# KiCad board Oblique Palette 0.3 PCB.kicad_pcb (continued)
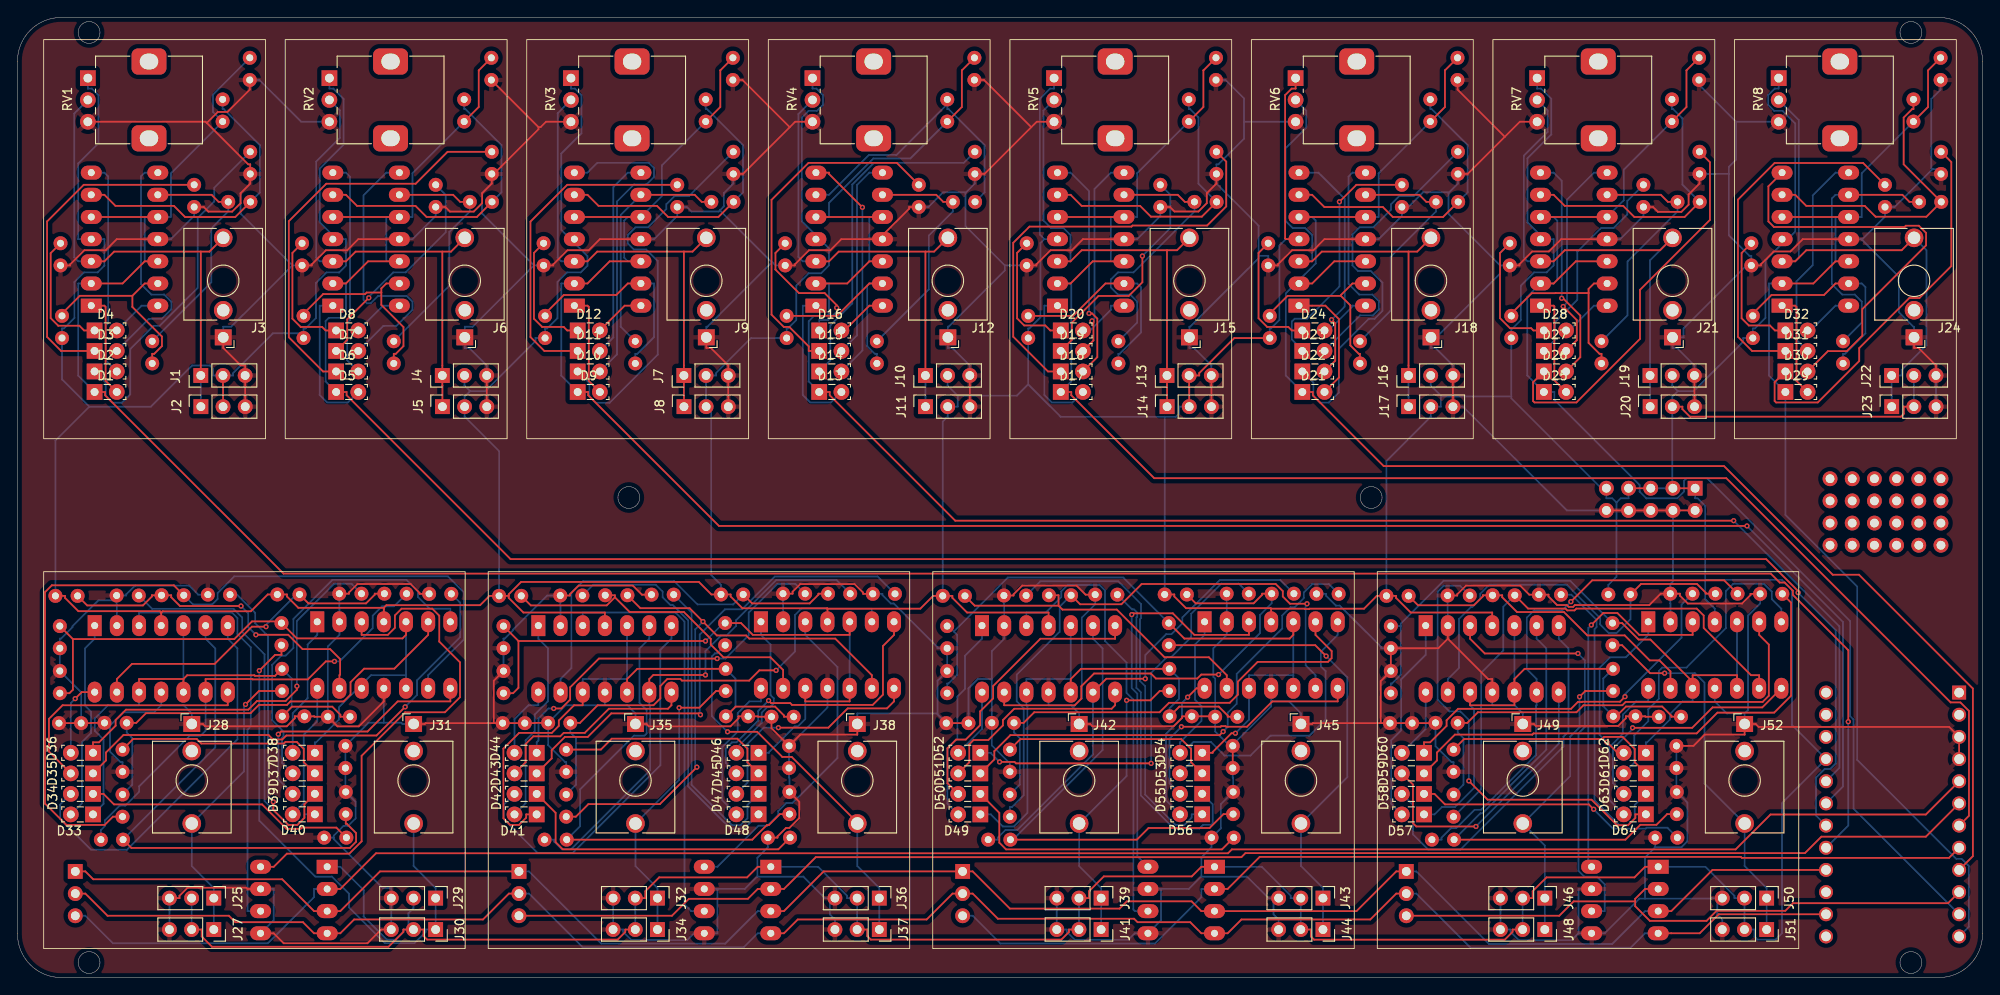
[diagram p0: board, top side]
## Placement (name value [footprint] x y rotation side) (continued)
R151  1k  [R_Axial_DIN0207_L6.3mm_D2.5mm_P2.54mm_Vertical]  166.29 43.77 180 bottom
R152  500  [R_Axial_DIN0207_L6.3mm_D2.5mm_P2.54mm_Vertical]  159.28 43.73 180 bottom
RV1  R_Potentiometer_MountingPin  [Potentiometer_Alps_RK09K_Single_Vertical]  8.06 103.05 0 top
RV2  R_Potentiometer_MountingPin  [Potentiometer_Alps_RK09K_Single_Vertical]  35.72 103.05 0 top
RV3  R_Potentiometer_MountingPin  [Potentiometer_Alps_RK09K_Single_Vertical]  63.37 103.05 0 top
RV4  R_Potentiometer_MountingPin  [Potentiometer_Alps_RK09K_Single_Vertical]  91.03 103.05 0 top
RV5  R_Potentiometer_MountingPin  [Potentiometer_Alps_RK09K_Single_Vertical]  118.69 103.05 0 top
RV6  R_Potentiometer_MountingPin  [Potentiometer_Alps_RK09K_Single_Vertical]  146.34 103.05 0 top
RV7  R_Potentiometer_MountingPin  [Potentiometer_Alps_RK09K_Single_Vertical]  174 103.05 0 top
RV8  R_Potentiometer_MountingPin  [Potentiometer_Alps_RK09K_Single_Vertical]  201.66 103.05 0 top
U1  MCP6004  [DIP-14_W7.62mm_Socket_LongPads]  8.45 76.98 0 bottom
U2  MCP6004  [DIP-14_W7.62mm_Socket_LongPads]  36.11 76.98 0 bottom
U3  MCP6004  [DIP-14_W7.62mm_Socket_LongPads]  63.76 76.98 0 bottom
U4  MCP6004  [DIP-14_W7.62mm_Socket_LongPads]  91.42 76.98 0 bottom
U5  MCP6004  [DIP-14_W7.62mm_Socket_LongPads]  119.08 76.98 0 bottom
U6  MCP6004  [DIP-14_W7.62mm_Socket_LongPads]  146.74 76.98 0 bottom
U7  MCP6004  [DIP-14_W7.62mm_Socket_LongPads]  174.39 76.98 0 bottom
U8  MCP6004  [DIP-14_W7.62mm_Socket_LongPads]  202.05 76.98 0 bottom
U9  MCP6004  [DIP-14_W7.62mm_Socket_LongPads]  8.84 40.32 270 bottom
U10  MCP4822  [DIP-8_W7.62mm_Socket_LongPads]  35.46 12.69 180 bottom
U11  MCP6004  [DIP-14_W7.62mm_Socket_LongPads]  34.33 40.76 270 bottom
U12  ProMicro  [ProMicro-EnforcedTop]  214.7 18.68 270 bottom
U13  MCP6004  [DIP-14_W7.62mm_Socket_LongPads]  59.64 40.32 270 bottom
U14  MCP4822  [DIP-8_W7.62mm_Socket_LongPads]  86.26 12.69 180 bottom
U15  MCP6004  [DIP-14_W7.62mm_Socket_LongPads]  85.12 40.76 270 bottom
U16  MCP6004  [DIP-14_W7.62mm_Socket_LongPads]  110.44 40.32 270 bottom
U17  MCP4822  [DIP-8_W7.62mm_Socket_LongPads]  137.06 12.69 180 bottom
U18  MCP6004  [DIP-14_W7.62mm_Socket_LongPads]  135.93 40.76 270 bottom
U19  MCP6004  [DIP-14_W7.62mm_Socket_LongPads]  161.24 40.32 270 bottom
U20  MCP4822  [DIP-8_W7.62mm_Socket_LongPads]  187.86 12.69 180 bottom
U21  MCP6004  [DIP-14_W7.62mm_Socket_LongPads]  186.72 40.76 270 bottom
VCC_PROTO1  Conn_01x05_Pin  [PinHeader_1x05_P2.54mm_Vertical#2]  192.09 56.06 90 bottom

## Library data of the parts
D1-D64 = -: Datasheet: http://www.osram-os.com/Graphics/XPic0/00203825_0.pdf; Description: 850nm High Power Infrared Emitter, Side-Emitter package; ki_fp_filters: LED*SideEmitter*Rectangular*W4.5mm*H1.6mm*
GND_PROTO1 VCC_PROTO1 = -: Description: Generic connector, single row, 01x05, script generated; ki_fp_filters: Connector*:*_1x??_*
J1 J2 J4 J5 J7 J8 J10 J11 J13 J14 J16 J17 J19 J20 J22 J23 J25-J27 J29 J30 J32-J34 J36 J37 J39-J41 J43 J44 J46-J48 J50 J51 = -: Description: Generic connector, single row, 01x03, script generated; ki_fp_filters: Connector*:*_1x??_*
J3 J6 J9 J12 J15 J18 J21 J24 J28 J31 J35 J38 J42 J45 J49 J52 = -: Description: Audio Jack, 2 Poles (Mono / TS), Switched T Pole (Normalling); ki_fp_filters: Jack*
Proto1-Proto6 = -: Description: Generic connector, single row, 01x04, script generated; ki_fp_filters: Connector*:*_1x??_*
R1-R152 = -: Description: Resistor; ki_fp_filters: R_*
RV1-RV8 = -: Description: Potentiometer with a mounting pin; ki_fp_filters: Potentiometer*
U1-U9 U11 U13 U15 U16 U18 U19 U21 = -: Datasheet: http://ww1.microchip.com/downloads/en/DeviceDoc/21733j.pdf; Description: 1MHz, Low-Power Op Amp, DIP-14/SOIC-14/TSSOP-14; ki_fp_filters: SOIC*3.9x8.7mm*P1.27mm* DIP*W7.62mm* TSSOP*4.4x5mm*P0.65mm* SSOP*5.3x6.2mm*P0.65mm* MSOP*3x3mm*P0.5mm*
U10 U14 U17 U20 = -: Datasheet: http://ww1.microchip.com/downloads/en/DeviceDoc/20002249B.pdf; Description: 2-Channel 12-Bit D/A Converters with SPI Interface and Internal Reference (2.048V); ki_fp_filters: DIP*W7.62mm* SOIC*3.9x4.9mm*P1.27mm* MSOP*3x3mm*P0.65mm*

## Footprints (pads in the part's own frame, mm; a bottom-side part is the same pattern mirrored in y, then rotated)
DIP-8_W7.62mm_Socket_LongPads
  rect 2.4x1.6 hole 0.8: 1(0,0)
  oval 2.4x1.6 hole 0.8: 2(0,-2.54) 3(0,-5.08) 4(0,-7.62) 5(7.62,-7.62) 6(7.62,-5.08) 7(7.62,-2.54) 8(7.62,0)
DIP-14_W7.62mm_Socket_LongPads
  rect 2.4x1.6 hole 0.8: 1(0,0)
  oval 2.4x1.6 hole 0.8: 2(0,-2.54) 3(0,-5.08) 4(0,-7.62) 5(0,-10.16) 6(0,-12.7) 7(0,-15.24) 8(7.62,-15.24) 9(7.62,-12.7) 10(7.62,-10.16) 11(7.62,-7.62) 12(7.62,-5.08) 13(7.62,-2.54) 14(7.62,0)
Jack_3.5mm_QingPu_WQP-PJ398SM_Vertical_CircularHoles
  rect 1.93x1.83 hole 1.22: S(0,0)
  round 2.13 hole 1.43: T(0,-11.4)
  round 2.13 hole 1.42: TN(0,-3.1)
LED_SideEmitter_Rectangular_W4.5mm_H1.6mm
  rect 1.8x1.8 hole 0.9: 1(0,0)
  round 1.8 hole 0.9: 2(2.54,0)
PinHeader_1x03_P2.54mm_Vertical
  rect 1.7x1.7 hole 1: 1(0,0)
  oval 1.7x1.7 hole 1: 2(0,-2.54) 3(0,-5.08)
PinHeader_1x04_P2.54mm_Vertical
  round 1.7 hole 1: 1(0,0)
  oval 1.7x1.7 hole 1: 2(0,-2.54) 3(0,-5.08) 4(0,-7.62)
PinHeader_1x05_P2.54mm_Vertical
  round 1.7 hole 1: 1(0,0)
  oval 1.7x1.7 hole 1: 2(0,-2.54) 3(0,-5.08) 4(0,-7.62) 5(0,-10.16)
PinHeader_1x05_P2.54mm_Vertical#2
  rect 1.7x1.7 hole 1: 1(0,0)
  oval 1.7x1.7 hole 1: 2(0,-2.54) 3(0,-5.08) 4(0,-7.62) 5(0,-10.16)
PinSocket_1x03_P2.54mm_Vertical
  rect 1.7x1.7 hole 1: 1(0,0)
  oval 1.7x1.7 hole 1: 2(0,-2.54) 3(0,-5.08)
Potentiometer_Alps_RK09K_Single_Vertical
  rect 1.8x1.8 hole 1: 1(0,0)
  round 1.8 hole 1: 2(0,-2.5) 3(0,-5)
  rrect 4x3 hole 2.1x1.8: MP(7,1.9) MP(7,-6.9)
ProMicro-EnforcedTop
  rect 1.6x1.6 hole 1.1: 1(-13.97,-7.62)
  round 1.6 hole 1.1: 2(-11.43,-7.62) 3(-8.89,-7.62) 4(-6.35,-7.62) 5(-3.81,-7.62) 6(-1.27,-7.62) 7(1.27,-7.62) 8(3.81,-7.62) 9(6.35,-7.62) 10(8.89,-7.62) 11(11.43,-7.62) 12(13.97,-7.62) 13(13.97,7.62) 14(11.43,7.62) 15(8.89,7.62) 16(6.35,7.62) 17(3.81,7.62) 18(1.27,7.62) 19(-1.27,7.62) 20(-3.81,7.62) 21(-6.35,7.62) 22(-8.89,7.62) 23(-11.43,7.62) 24(-13.97,7.62)
R_Axial_DIN0207_L6.3mm_D2.5mm_P2.54mm_Vertical
  round 1.6 hole 0.8: 1(0,0)
  oval 1.6x1.6 hole 0.8: 2(2.54,0)

## Nets
GNDREF: GND_PROTO1.1 GND_PROTO1.2 GND_PROTO1.3 GND_PROTO1.4 GND_PROTO1.5 J1.3 J2.3 J3.S J4.3 J5.3 J6.S J7.3 J8.3 J9.S J10.3 J11.3 J12.S J13.3 J14.3 J15.S J16.3 J17.3 J18.S J19.3 J20.3 J21.S J22.3 J23.3 J24.S J25.3 J27.3 J28.S J29.3 J30.3 J31.S J32.3 J34.3 J35.S J36.3 J37.3 J38.S J39.3 J41.3 J42.S J43.3 J44.3 J45.S J46.3 J48.3 J49.S J50.3 J51.3 J52.S R1.2 R3.2 R5.2 R7.2 R9.2 R11.2 R13.2 R15.2 R17.2 R19.2 R21.2 R23.2 R25.2 R27.2 R29.2 R31.2 R33.2 R35.2 R37.2 R39.2 R41.2 R43.2 R45.2 R47.2 R49.2 R51.2 R53.2 R55.2 R57.2 R59.2 R61.2 R63.2 R66.2 R67.1 R68.1 R68.2 R69.1 R70.2 R72.2 R74.2 R77.2 R78.1 R79.1 R79.2 R80.1 R81.2 R83.2 R85.2 R88.2 R89.1 R90.1 R90.2 R91.1 R92.2 R94.2 R96.2 R99.2 R100.1 R101.1 R101.2 R102.1 R103.2 R105.2 R107.2 R110.2 R111.1 R112.1 R112.2 R113.1 R114.2 R116.2 R118.2 R121.2 R122.1 R123.1 R123.2 R124.1 R125.2 R127.2 R129.2 R132.2 R133.1 R134.1 R134.2 R135.1 R136.2 R138.2 R140.2 R143.2 R144.1 R145.1 R145.2 R146.1 R147.2 R149.2 R151.2 RV1.3 RV2.3 RV3.3 RV4.3 RV5.3 RV6.3 RV7.3 RV8.3 U1.11 U2.11 U3.11 U4.11 U5.11 U6.11 U7.11 U8.11 U9.2 U9.11 U10.5 U10.7 U11.2 U11.11 U12.3 U12.4 U13.2 U13.11 U14.5 U14.7 U15.2 U15.11 U16.2 U16.11 U17.5 U17.7 U18.2 U18.11 U19.2 U19.11 U20.5 U20.7 U21.2 U21.11
VCC: J1.2 J2.2 J4.2 J5.2 J7.2 J8.2 J10.2 J11.2 J13.2 J14.2 J16.2 J17.2 J19.2 J20.2 J22.2 J23.2 J25.2 J27.2 J29.2 J30.2 J32.2 J34.2 J36.2 J37.2 J39.2 J41.2 J43.2 J44.2 J46.2 J48.2 J50.2 J51.2 R8.2 R16.2 R24.2 R32.2 R40.2 R48.2 R56.2 R64.2 R75.2 R86.2 R97.2 R108.2 R119.2 R130.2 R141.2 R152.2 RV1.1 RV2.1 RV3.1 RV4.1 RV5.1 RV6.1 RV7.1 RV8.1 U1.4 U2.4 U3.4 U4.4 U5.4 U6.4 U7.4 U8.4 U9.4 U10.1 U11.4 U12.21 U13.4 U14.1 U15.4 U16.4 U17.1 U18.4 U19.4 U20.1 U21.4 VCC_PROTO1.1 VCC_PROTO1.2 VCC_PROTO1.3 VCC_PROTO1.4 VCC_PROTO1.5
/Input 1/ANALOG_IN: D1.1 R1.1 R2.1 U1.2 U1.5 U1.10 U1.12 U12.17
/Input 2/ANALOG_IN: D5.1 R9.1 R10.1 U2.2 U2.5 U2.10 U2.12 U12.18
/Input 3/ANALOG_IN: D9.1 R17.1 R18.1 U3.2 U3.5 U3.10 U3.12 U12.19
/Input 4/ANALOG_IN: D13.1 R25.1 R26.1 U4.2 U4.5 U4.10 U4.12 U12.20
/Input 5/ANALOG_IN: D17.1 R33.1 R34.1 U5.2 U5.5 U5.10 U5.12 U12.7
/Input 6/ANALOG_IN: D21.1 R41.1 R42.1 U6.2 U6.5 U6.10 U6.12 U12.9
/Input 7/ANALOG_IN: D25.1 R49.1 R50.1 U7.2 U7.5 U7.10 U7.12 U12.11
/Input 8/ANALOG_IN: D29.1 R57.1 R58.1 U8.2 U8.5 U8.10 U8.12 U12.12
/Output12/CHIP_SELECT_: J26.3 U10.2 U12.5
/Output12/SERIAL_CLOCK_: J26.1 J33.1 J40.1 J47.1 U10.3 U12.16 U14.3 U17.3 U20.3
/Output12/SERIAL_DATA_: J26.2 J33.2 J40.2 J47.2 U10.4 U12.14 U14.4 U17.4 U20.4
/Output34/CHIP_SELECT_: J33.3 U12.6 U14.2
/Output56/CHIP_SELECT_: J40.3 U12.8 U17.2
/Output78/CHIP_SELECT_: J47.3 U12.10 U20.2
Net-(D1-A): D1.2 U1.1
Net-(D2-A): D2.2 U1.7
Net-(D2-K): D2.1 R3.1
Net-(D3-A): D3.2 U1.8
Net-(D3-K): D3.1 R5.1
Net-(D4-A): D4.2 U1.14
Net-(D4-K): D4.1 R7.1
Net-(D5-A): D5.2 U2.1
Net-(D6-A): D6.2 U2.7
Net-(D6-K): D6.1 R11.1
Net-(D7-A): D7.2 U2.8
Net-(D7-K): D7.1 R13.1
Net-(D8-A): D8.2 U2.14
Net-(D8-K): D8.1 R15.1
Net-(D9-A): D9.2 U3.1
Net-(D10-A): D10.2 U3.7
Net-(D10-K): D10.1 R19.1
Net-(D11-A): D11.2 U3.8
Net-(D11-K): D11.1 R21.1
Net-(D12-A): D12.2 U3.14
Net-(D12-K): D12.1 R23.1
Net-(D13-A): D13.2 U4.1
Net-(D14-A): D14.2 U4.7
Net-(D14-K): D14.1 R27.1
Net-(D15-A): D15.2 U4.8
Net-(D15-K): D15.1 R29.1
Net-(D16-A): D16.2 U4.14
Net-(D16-K): D16.1 R31.1
Net-(D17-A): D17.2 U5.1
Net-(D18-A): D18.2 U5.7
Net-(D18-K): D18.1 R35.1
Net-(D19-A): D19.2 U5.8
Net-(D19-K): D19.1 R37.1
Net-(D20-A): D20.2 U5.14
Net-(D20-K): D20.1 R39.1
Net-(D21-A): D21.2 U6.1
Net-(D22-A): D22.2 U6.7
Net-(D22-K): D22.1 R43.1
Net-(D23-A): D23.2 U6.8
Net-(D23-K): D23.1 R45.1
Net-(D24-A): D24.2 U6.14
Net-(D24-K): D24.1 R47.1
Net-(D25-A): D25.2 U7.1
Net-(D26-A): D26.2 U7.7
Net-(D26-K): D26.1 R51.1
Net-(D27-A): D27.2 U7.8
Net-(D27-K): D27.1 R53.1
Net-(D28-A): D28.2 U7.14
Net-(D28-K): D28.1 R55.1
Net-(D29-A): D29.2 U8.1
Net-(D30-A): D30.2 U8.7
Net-(D30-K): D30.1 R59.1
Net-(D31-A): D31.2 U8.8
Net-(D31-K): D31.1 R61.1
Net-(D32-A): D32.2 U8.14
Net-(D32-K): D32.1 R63.1
Net-(D33-A): D33.2 U9.1
Net-(D33-K): D33.1 R65.1 R66.1 R67.2 U9.5 U9.10 U9.12
Net-(D34-A): D34.2 U9.7
Net-(D34-K): D34.1 R70.1
Net-(D35-A): D35.2 U9.8
Net-(D35-K): D35.1 R72.1
Net-(D36-A): D36.2 U9.14
Net-(D36-K): D36.1 R74.1
Net-(D37-A): D37.2 U11.1
Net-(D37-K): D37.1 R76.1 R77.1 R78.2 U11.5 U11.10 U11.12
Net-(D38-A): D38.2 U11.7
Net-(D38-K): D38.1 R81.1
Net-(D39-A): D39.2 U11.8
Net-(D39-K): D39.1 R83.1
Net-(D40-A): D40.2 U11.14
Net-(D40-K): D40.1 R85.1
Net-(D41-A): D41.2 U13.1
Net-(D41-K): D41.1 R87.1 R88.1 R89.2 U13.5 U13.10 U13.12
Net-(D42-A): D42.2 U13.7
Net-(D42-K): D42.1 R92.1
Net-(D43-A): D43.2 U13.8
Net-(D43-K): D43.1 R94.1
Net-(D44-A): D44.2 U13.14
Net-(D44-K): D44.1 R96.1
Net-(D45-A): D45.2 U15.1
Net-(D45-K): D45.1 R98.1 R99.1 R100.2 U15.5 U15.10 U15.12
Net-(D46-A): D46.2 U15.7
Net-(D46-K): D46.1 R103.1
Net-(D47-A): D47.2 U15.8
Net-(D47-K): D47.1 R105.1
Net-(D48-A): D48.2 U15.14
Net-(D48-K): D48.1 R107.1
Net-(D49-A): D49.2 U16.1
Net-(D49-K): D49.1 R109.1 R110.1 R111.2 U16.5 U16.10 U16.12
Net-(D50-A): D50.2 U16.7
Net-(D50-K): D50.1 R114.1
Net-(D51-A): D51.2 U16.8
Net-(D51-K): D51.1 R116.1
Net-(D52-A): D52.2 U16.14
Net-(D52-K): D52.1 R118.1
Net-(D53-A): D53.2 U18.1
Net-(D53-K): D53.1 R120.1 R121.1 R122.2 U18.5 U18.10 U18.12
Net-(D54-A): D54.2 U18.7
Net-(D54-K): D54.1 R125.1
Net-(D55-A): D55.2 U18.8
Net-(D55-K): D55.1 R127.1
Net-(D56-A): D56.2 U18.14
Net-(D56-K): D56.1 R129.1
Net-(D57-A): D57.2 U19.1
Net-(D57-K): D57.1 R131.1 R132.1 R133.2 U19.5 U19.10 U19.12
Net-(D58-A): D58.2 U19.7
Net-(D58-K): D58.1 R136.1
Net-(D59-A): D59.2 U19.8
Net-(D59-K): D59.1 R138.1
Net-(D60-A): D60.2 U19.14
Net-(D60-K): D60.1 R140.1
Net-(D61-A): D61.2 U21.1
Net-(D61-K): D61.1 R142.1 R143.1 R144.2 U21.5 U21.10 U21.12
Net-(D62-A): D62.2 U21.7
Net-(D62-K): D62.1 R147.1
Net-(D63-A): D63.2 U21.8
Net-(D63-K): D63.1 R149.1
Net-(D64-A): D64.2 U21.14
Net-(D64-K): D64.1 R151.1
Net-(J1-Pin_1): J1.1 J2.1 J3.T RV1.2 U1.3
Net-(J4-Pin_1): J4.1 J5.1 J6.T RV2.2 U2.3
Net-(J7-Pin_1): J7.1 J8.1 J9.T RV3.2 U3.3
Net-(J10-Pin_1): J10.1 J11.1 J12.T RV4.2 U4.3
Net-(J13-Pin_1): J13.1 J14.1 J15.T RV5.2 U5.3
Net-(J16-Pin_1): J16.1 J17.1 J18.T RV6.2 U6.3
Net-(J19-Pin_1): J19.1 J20.1 J21.T RV7.2 U7.3
Net-(J22-Pin_1): J22.1 J23.1 J24.T RV8.2 U8.3
Net-(J25-Pin_1): J25.1 J27.1 J28.T R65.2
Net-(J29-Pin_1): J29.1 J30.1 J31.T R76.2
Net-(J32-Pin_1): J32.1 J34.1 J35.T R87.2
Net-(J36-Pin_1): J36.1 J37.1 J38.T R98.2
Net-(J39-Pin_1): J39.1 J41.1 J42.T R109.2
Net-(J43-Pin_1): J43.1 J44.1 J45.T R120.2
Net-(J46-Pin_1): J46.1 J48.1 J49.T R131.2
Net-(J50-Pin_1): J50.1 J51.1 J52.T R142.2
Net-(U1B--): R2.2 R4.1 U1.6
Net-(U1C--): R4.2 R6.1 U1.9
Net-(U1D--): R6.2 R8.1 U1.13
Net-(U2B--): R10.2 R12.1 U2.6
Net-(U2C--): R12.2 R14.1 U2.9
Net-(U2D--): R14.2 R16.1 U2.13
Net-(U3B--): R18.2 R20.1 U3.6
Net-(U3C--): R20.2 R22.1 U3.9
Net-(U3D--): R22.2 R24.1 U3.13
Net-(U4B--): R26.2 R28.1 U4.6
Net-(U4C--): R28.2 R30.1 U4.9
Net-(U4D--): R30.2 R32.1 U4.13
Net-(U5B--): R34.2 R36.1 U5.6
Net-(U5C--): R36.2 R38.1 U5.9
Net-(U5D--): R38.2 R40.1 U5.13
Net-(U6B--): R42.2 R44.1 U6.6
Net-(U6C--): R44.2 R46.1 U6.9
Net-(U6D--): R46.2 R48.1 U6.13
Net-(U7B--): R50.2 R52.1 U7.6
Net-(U7C--): R52.2 R54.1 U7.9
Net-(U7D--): R54.2 R56.1 U7.13
Net-(U8B--): R58.2 R60.1 U8.6
Net-(U8C--): R60.2 R62.1 U8.9
Net-(U8D--): R62.2 R64.1 U8.13
Net-(U9B--): R69.2 R71.1 U9.6
Net-(U9C--): R71.2 R73.1 U9.9
Net-(U9D--): R73.2 R75.1 U9.13
Net-(U10-VA): U10.8 U11.3
Net-(U10-VB): U9.3 U10.6
Net-(U11B--): R80.2 R82.1 U11.6
Net-(U11C--): R82.2 R84.1 U11.9
Net-(U11D--): R84.2 R86.1 U11.13
Net-(U13A-+): U13.3 U14.6
Net-(U13B--): R91.2 R93.1 U13.6
Net-(U13C--): R93.2 R95.1 U13.9
Net-(U13D--): R95.2 R97.1 U13.13
Net-(U14-VA): U14.8 U15.3
Net-(U15B--): R102.2 R104.1 U15.6
Net-(U15C--): R104.2 R106.1 U15.9
Net-(U15D--): R106.2 R108.1 U15.13
Net-(U16A-+): U16.3 U17.6
Net-(U16B--): R113.2 R115.1 U16.6
Net-(U16C--): R115.2 R117.1 U16.9
Net-(U16D--): R117.2 R119.1 U16.13
Net-(U17-VA): U17.8 U18.3
Net-(U18B--): R124.2 R126.1 U18.6
Net-(U18C--): R126.2 R128.1 U18.9
Net-(U18D--): R128.2 R130.1 U18.13
Net-(U19A-+): U19.3 U20.6
Net-(U19B--): R135.2 R137.1 U19.6
Net-(U19C--): R137.2 R139.1 U19.9
Net-(U19D--): R139.2 R141.1 U19.13
Net-(U20-VA): U20.8 U21.3
Net-(U21B--): R146.2 R148.1 U21.6
Net-(U21C--): R148.2 R150.1 U21.9
Net-(U21D--): R150.2 R152.1 U21.13

Pads without a net: J3 TN; J6 TN; J9 TN; J12 TN; J15 TN; J18 TN; J21 TN; J24 TN; J28 TN; J31 TN; J35 TN; J38 TN; J42 TN; J45 TN; J49 TN; J52 TN; Proto1 1 2 3 4; Proto2 1 2 3 4; Proto3 1 2 3 4; Proto4 1 2 3 4; Proto5 1 2 3 4; Proto6 1 2 3 4; RV1 MP; RV2 MP; RV3 MP; RV4 MP; RV5 MP; RV6 MP; RV7 MP; RV8 MP; U12 1 2 13 15 22 23 24

## Via types
v1: diameter 0.6, hole 0.3, Top to Bottom, 60 vias

## Routing (per net, layer and track width the routed paths; a pad name or vN(x,y) marks a point on that pad's centre or on a via; arc(x,y) is an arc through that point)
GNDREF: length 1527.6
  Top w0.2: R111.1 137.09,29.93 R110.2 133.36,29.93 133.36,29.77 132.38,28.79 123.08,28.79 122.83,29.05 J42.S ; R80.1 8.42,29.18 8.39,29.15 R79.2 R79.1 ; R51.2 192.59,90.97 191.35,89.72 191.35,88.56 190.52,87.73 187.83,87.73 187.27,88.28 186.17,88.28 ; R41.2 164.88,101.73 170.29,96.33 ; R123.2 R123.1 ; U2.11 39.02,84.6 37.75,83.33 35.31,83.33 33.69,81.7 33.69,81.59 R15.2 ; 156.09,29.15 156.09,33.96 R144.1 R143.2 162.69,37.73 163.78,38.82 ; 156.09,29.15 R145.1 R145.2 162.34,29.15 R146.1 ; 156.09,29.15 148.33,29.15 148.23,29.05 J45.S ; 130.86,88.28 131.96,88.28 132.48,87.77 135.22,87.77 136.18,88.72 136.18,89.87 137.28,90.97 R35.2 ; R107.2 63.25,43.77 63.25,43.91 64.26,44.91 70.46,44.91 71.5,43.87 R105.2 ; J28.S 21.23,29.05 21.49,28.79 30.84,28.79 31.76,29.7 31.76,29.93 R66.2 33.96,29.93 34.01,29.88 R67.1 36.64,28.78 39.08,28.78 41.95,31.64 U11.11 ; U6.11 149.65,84.6 148.38,83.33 145.94,83.33 144.32,81.7 144.32,81.59 R47.2 ; 21.68,97.91 26.42,93.17 26.65,93.17 R3.2 26.65,90.97 25.55,89.87 25.55,88.72 24.58,87.76 21.86,87.76 21.33,88.28 20.23,88.28 ; 21.68,97.91 22.94,99.18 24.05,99.18 26.6,101.73 R1.2 ; 21.68,97.91 21.54,98.05 RV1.3 ; R102.1 59.22,29.18 59.19,29.15 R101.2 R101.1 54.53,29.15 ; J5.3 53.74,67.82 53.73,67.83 J4.3 ; U3.11 66.68,84.6 65.41,83.33 62.97,83.33 61.35,81.7 61.35,81.59 R23.2 ; 54.53,29.15 54.53,34 R100.1 ; 54.53,29.15 46.73,29.15 46.63,29.05 J31.S ; U10.7 26.34,10.15 26.2,10.29 19.47,10.29 18.55,9.37 18.55,9.1 J25.3 ; 54.31,91.84 54.31,90.97 53.21,89.87 53.21,88.72 52.24,87.76 49.51,87.76 48.99,88.28 47.89,88.28 ; 54.31,91.84 59.66,97.19 59.66,97.44 ; 54.31,91.84 R11.2 ; J8.3 81.39,66.56 81.38,66.57 J7.3 81.38,70.13 79.38,72.13 78.87,72.13 J9.S ; J11.3 109.05,67.82 109.04,67.83 J10.3 ; R151.2 164.85,43.77 164.85,43.91 165.85,44.91 172.06,44.91 173.1,43.87 R149.2 175.3,43.87 175.3,43.66 176.29,42.68 177.41,42.68 177.62,42.47 178.12,42.47 178.32,42.68 186.84,42.68 188.15,43.98 R140.2 190.35,43.98 190.35,43.75 191.25,42.85 197.46,42.85 198.43,43.82 198.43,43.96 R138.2 ; 163.78,38.82 168.4,34.2 168.86,34.2 U19.11 ; 163.78,38.82 U19.2 ; J14.3 136.71,67.82 136.7,67.83 J13.3 ; J38.S 96.16,27.83 89.64,27.83 R90.1 86.33,28.56 R89.1 84.81,29.88 84.76,29.93 R88.2 82.56,29.93 82.56,29.7 81.64,28.78 72.29,28.78 72.03,29.05 J35.S ; RV3.3 60.52,98.05 59.9,97.44 59.66,97.44 ; R7.2 6.03,81.59 6.03,81.7 7.66,83.33 10.1,83.33 11.37,84.6 U1.11 ; RV7.3 172.02,98.05 170.29,96.33 ; U10.5 29.34,5.07 30.48,3.93 40.08,3.93 41.65,5.5 J30.3 ; R133.1 186.41,29.88 186.36,29.93 R132.2 184.16,29.93 184.16,29.7 183.28,28.83 173.85,28.83 173.63,29.05 J49.S ; J20.3 192.02,66.56 192.01,66.57 J19.3 ; 116.08,97.43 110.67,102.84 R25.2 ; 116.08,97.43 116.7,98.05 RV5.3 ; 116.08,97.43 110.72,92.07 R27.2 ; 59.66,97.44 R9.2 ; R92.2 87.02,16.03 87.02,16.17 87.99,17.13 88.37,17.13 89.52,18.27 89.52,20.14 R91.1 ; R55.2 171.97,81.59 171.97,81.73 173.43,83.19 175.35,83.19 176.76,84.6 U7.11 ; R129.2 114.05,43.77 114.05,43.91 115.05,44.91 121.26,44.91 122.3,43.87 R127.2 ; U8.11 204.42,84.6 203.01,83.19 201.09,83.19 199.63,81.73 199.63,81.59 R63.2 ; 98.61,84.6 94.34,84.6 93.07,83.33 90.63,83.33 89,81.7 89,81.59 R31.2 ; 98.61,84.6 99.04,84.6 ; 98.61,84.6 102.1,88.09 102.1,88.28 103.2,88.28 ; J22.3 219.67,70.13 217.67,72.13 217.16,72.13 J24.S ; GND_PROTO1.1 GND_PROTO1.2 GND_PROTO1.3 GND_PROTO1.4 GND_PROTO1.5 ; RV4.3 89.05,98.05 88.42,97.43 ; R17.2 83.02,102.84 88.42,97.43 ; R72.2 46.03,43.96 46.03,44.07 45.02,45.09 38.92,45.09 37.95,44.12 37.95,43.98 R74.2 ; R134.1 191.9,26.55 193.19,27.83 197.76,27.83 J52.S 199.03,29.05 199.37,28.71 221.18,28.71 U12.3 U12.4 ; R112.2 R112.1 ; J16.3 164.35,66.57 164.37,66.56 J17.3 ; R39.2 116.66,81.59 116.66,81.7 118.29,83.33 120.72,83.33 121.99,84.6 U5.11 ; 88.42,97.43 83.07,92.07 R19.2 ; J3.S 23.56,72.13 25.56,70.13 26.07,70.13 J1.3 26.07,66.57 26.08,66.56 J2.3 ; 170.29,96.33 166.04,92.07 R43.2 ; R96.2 88.75,43.98 88.75,44.21 89.63,45.08 95.85,45.08 96.83,44.1 96.83,43.96 97.94,43.96
  Bottom w0.2: 143.82,9.1 143.25,9.1 140.79,11.56 135.59,11.56 135.56,11.59 ; 143.82,9.1 J43.3 ; 143.82,9.1 143.82,7.23 144.4,6.65 J44.3 ; R23.2 59.14,81.59 ; 59.14,81.59 53.19,87.54 53.19,89.85 54.31,90.97 R11.2 ; 59.14,81.59 52.12,74.57 51.22,74.57 J6.S 51.22,72.13 51.73,72.13 53.73,70.13 J4.3 ; J9.S 78.87,74.57 78.99,74.57 86.37,81.94 ; R79.2 7.29,32.68 R78.1 R77.2 4.85,38.83 4.99,38.83 6.29,40.13 6.29,40.24 9.27,43.22 11.35,43.22 ; U16.11 118.06,31.2 120.63,31.2 120.85,30.97 ; J23.3 219.68,66.56 219.67,66.57 J22.3 ; 41.95,29.19 40.2,29.19 R68.1 R68.2 37.55,21.31 R69.1 38.72,20.14 38.72,18.23 37.87,17.38 37.34,17.38 36.22,16.26 36.22,16.03 ; 41.95,29.19 43.95,29.19 44.09,29.05 J31.S ; 41.95,29.19 U11.11 ; 143.54,33.14 143.54,31.64 ; 143.54,31.64 143.54,31.07 139.15,26.68 ; 143.54,31.64 145.59,31.64 146.96,30.27 J45.S ; 80.14,10.15 80.14,5.07 U14.5 77.46,5.07 76.68,4.29 70.29,4.29 69.35,5.23 69.35,5.5 J34.3 J32.3 ; 80.14,10.15 U14.7 ; 80.14,10.15 83.28,10.15 84.72,11.59 ; R70.2 36.22,16.03 ; 36.22,16.03 36.22,15.85 41.82,10.25 42.8,10.25 J29.3 J30.3 ; 10.59,28.87 12.11,30.39 15.66,30.39 16.46,31.2 ; 10.59,28.87 10.27,28.87 R80.1 ; 10.59,28.87 10.59,25.89 11.8,24.68 12.03,24.68 R81.2 ; J38.S 96.16,30.27 105.34,30.27 ; 86.37,81.94 86.45,81.94 86.8,81.59 R31.2 ; 86.37,81.94 80.42,87.9 ; R96.2 87.65,42.88 87.67,42.86 U15.2 ; J50.3 194.62,9.1 ; 194.62,9.1 194.62,7.23 195.2,6.65 J51.3 ; 194.62,9.1 194.05,9.1 193.99,9.05 186.35,9.05 ; R103.2 62.83,24.68 62.7,24.68 60.77,26.62 R102.1 62.78,31.2 67.26,31.2 ; J52.S 197.76,30.27 ; 197.76,30.27 195.72,30.27 194.34,31.64 U21.11 ; 197.76,30.27 198.16,30.66 198.16,41.48 199.53,42.86 R138.2 ; R67.1 35.53,37.93 36.87,39.26 U11.2 36.87,42.26 36.85,42.28 R74.2 ; R112.1 139.15,26.68 ; 139.15,26.68 138.66,26.68 137.13,28.2 R111.1 137.13,34.25 136.92,34.46 136.92,37.72 138.47,39.26 U18.2 138.47,42.86 138.45,42.88 R118.2 ; 11.35,43.22 R85.2 12.45,43.77 12.45,43.91 13.45,44.91 19.66,44.91 20.7,43.87 R83.2 ; 11.35,43.22 11.35,42.67 11.38,42.64 U9.2 ; R100.1 R99.2 55.65,38.83 55.79,38.83 56.75,39.8 56.75,39.87 60.65,43.77 R107.2 62.15,42.67 62.18,42.64 U13.2 ; R127.2 123.4,42.77 121.87,41.24 121.87,31.99 120.85,30.97 ; 211.18,84.54 211.12,84.6 U8.11 ; 211.18,84.54 213.83,87.18 213.83,88.28 214.93,88.28 219.27,92.62 ; 211.18,84.54 215.42,80.3 215.42,76.23 217.08,74.57 217.16,74.57 J24.S ; 186.35,9.05 185.72,9.05 181.74,5.07 U20.5 178.74,5.07 ; 186.35,9.05 186.35,13.76 187.52,14.93 ; 187.52,14.93 190.52,14.93 191.2,15.61 191.2,20.05 R135.1 189.95,21.31 R134.2 R134.1 ; 187.52,14.93 R136.2 ; 120.85,30.97 121.56,30.27 J42.S ; 105.34,30.27 105.34,34.01 R122.1 R121.2 105.35,37.73 105.35,37.84 100.33,42.86 100,42.86 99.04,43.82 99.04,43.96 97.94,43.96 ; 105.34,30.27 105.34,30.16 R123.1 ; 140.44,98.05 140.44,96.11 137.51,93.17 137.28,93.17 R35.2 137.28,90.97 142.11,86.13 142.11,82.69 ; 140.44,98.05 RV6.3 ; 140.44,98.05 140.44,100.72 138.33,102.84 R33.2 ; R1.2 27.7,102.84 32.49,98.05 RV2.3 ; 111.56,34.2 109.96,34.2 108.89,33.14 108.89,30.25 108.89,30.25 R123.2 ; 111.56,34.2 111.56,37.4 112.98,38.82 U16.2 112.98,42.64 112.95,42.67 R129.2 ; 111.56,34.2 R124.1 111.56,26.6 113.48,24.68 113.63,24.68 R125.2 ; R151.2 163.75,41.85 163.78,41.82 U19.2 ; J10.3 109.04,70.13 107.04,72.13 106.53,72.13 J12.S 106.53,74.57 106.61,74.57 113.05,81.01 113.05,81.59 ; 196.78,98.05 196.78,93.7 195.96,92.88 195.96,92.07 ; 196.78,98.05 192.54,102.28 R49.2 ; 196.78,98.05 RV8.3 ; 113.05,81.59 108.54,86.1 108.54,89.89 ; 113.05,81.59 R39.2 ; 108.54,89.89 108.46,89.97 105.99,89.97 104.3,88.28 103.2,88.28 ; 108.54,89.89 109.62,90.97 R27.2 ; GND_PROTO1.2 189.55,45.38 189.25,45.08 R140.2 189.25,42.88 189.26,42.86 U21.2 ; R92.2 85.92,14.93 84.72,13.73 84.72,11.59 ; 93.02,9.1 93.02,7.23 93.6,6.65 J37.3 ; 93.02,9.1 J36.3 ; 93.02,9.1 92.45,9.1 89.99,11.56 84.75,11.56 84.72,11.59 ; R43.2 164.94,90.97 163.86,89.89 ; R147.2 164.43,24.68 164.2,24.68 162.37,26.52 R146.1 ; J39.3 J41.3 120.15,5.5 120.15,5.23 121.06,4.32 127.19,4.32 127.94,5.07 U17.5 130.94,6.57 130.94,10.15 ; U15.11 92.75,30.94 R90.1 R90.2 88.35,22.9 88.39,22.86 R91.1 ; 158.51,88.28 158.51,87.55 ; 158.51,87.55 160.94,89.97 163.78,89.97 163.86,89.89 ; 158.51,87.55 158.51,87.18 158.44,87.18 155.86,84.6 U6.11 ; J3.S 23.56,74.57 24.46,74.57 31.49,81.59 ; R59.2 220.25,92.62 219.27,92.62 ; R3.2 26.65,90.97 25.53,89.85 25.53,87.54 31.49,81.59 ; J16.3 164.35,70.13 162.35,72.13 161.84,72.13 161.84,72.74 ; 142.11,82.69 142.11,82.42 134.26,74.57 134.19,74.57 J15.S 134.19,72.13 134.7,72.13 136.7,70.13 J13.3 ; 142.11,82.69 143.22,82.69 R47.2 ; R15.2 31.49,81.59 ; U3.11 72.89,84.6 75.47,87.18 75.54,87.18 75.54,88.28 76.65,88.28 77.17,87.77 80.29,87.77 80.42,87.9 ; 67.26,31.2 U13.11 ; 67.26,31.2 69.83,31.2 70.76,30.27 J35.S ; 135.56,11.59 134.12,10.15 130.94,10.15 ; 135.56,11.59 135.56,13.77 136.72,14.93 R114.2 137.79,17.1 137.79,19.86 R113.1 139.19,22.86 139.15,22.9 R112.2 ; 178.74,5.07 177.96,4.29 171.89,4.29 170.95,5.23 170.95,5.5 J48.3 J46.3 ; 178.74,5.07 178.74,10.15 U20.7 ; 195.96,92.07 R51.2 ; 195.96,92.07 195.96,85.03 198.3,82.69 198.53,82.69 198.53,82.14 ; 16.46,31.2 19.03,31.2 19.96,30.27 J28.S ; 16.46,31.2 U9.11 ; 130.86,88.28 130.86,87.18 130.78,87.18 128.2,84.6 U5.11 ; J49.S 172.36,30.27 171.43,31.2 168.86,31.2 U19.11 ; R143.2 156.15,37.73 156.15,37.87 151.4,42.61 150.95,42.61 149.84,43.73 149.84,43.96 R116.2 ; 130.94,10.15 U17.7 ; 163.86,89.89 163.86,87.5 169.77,81.59 ; J17.3 165.52,65.41 177.41,53.52 GND_PROTO1.5 ; U1.11 17.57,84.6 20.16,87.18 20.23,87.18 20.23,88.28 ; U7.11 183.51,84.6 186.1,87.18 186.17,87.18 186.17,88.28 ; 47.89,88.28 47.89,87.18 47.81,87.18 45.23,84.6 U2.11 ; U10.5 29.34,6.57 29.34,10.15 U10.7 ; 161.84,72.74 J18.S ; 161.84,72.74 169.77,80.67 169.77,81.59 ; R63.2 198.53,82.14 ; 198.53,82.14 190.77,74.38 190.77,73.35 J21.S 189.5,72.13 190.01,72.13 192.01,70.13 J19.3 ; 219.27,92.62 219.13,92.76 219.13,100.67 220.2,101.73 R57.2 ; R55.2 169.77,81.59 ; 80.42,87.9 80.88,88.36 80.88,89.89 81.96,90.97 R19.2 ; J25.3 J27.3
VCC: length 1166
  Top w0.2: U20.1 186.36,12.69 185.14,11.47 175.07,11.47 173.49,9.89 173.49,9.1 J46.2 ; U17.1 135.56,12.69 134.46,11.59 124.39,11.59 122.69,9.89 122.69,9.1 J39.2 ; J48.2 171.19,5.5 171.19,5.23 170.29,4.34 148.46,4.34 148.09,4.71 148.09,5.5 J44.2 ; R119.2 132.46,43.89 132.46,43.66 133.8,42.31 143.49,42.31 143.54,42.26 ; 56.25,43.73 R108.2 54.04,43.73 52.98,42.66 42.25,42.66 41.95,42.36 ; 56.25,43.73 56.25,43.5 57.93,41.82 67.26,41.82 U13.4 ; 56.25,43.73 56.25,43.91 57.67,45.32 78.02,45.32 79.45,43.89 81.66,43.89 81.66,43.66 83.01,42.31 92.69,42.31 92.75,42.26 ; U19.4 168.86,41.82 159.53,41.82 157.85,43.5 157.85,43.73 R152.2 155.64,43.73 154.18,42.26 147.94,42.26 147.9,42.22 147.4,42.22 147.37,42.26 143.54,42.26 143.54,42.26 ; U6.4 145.23,84.6 145.14,84.69 145.14,101.1 145.89,101.85 146.34,101.85 RV6.1 ; J34.2 69.59,5.5 69.59,5.21 68.72,4.35 46.91,4.35 46.49,4.76 46.49,5.5 J30.2 44.19,5.5 44.19,5.23 42.48,3.53 22.27,3.53 21.09,4.71 21.09,5.5 J27.2 ; U16.4 118.06,41.82 108.73,41.82 107.05,43.5 107.05,43.73 R130.2 104.84,43.73 103.38,42.26 92.75,42.26 92.75,42.26 ; J37.2 97.29,5.5 97.29,4.76 97.7,4.35 119.52,4.35 120.39,5.21 120.39,5.5 J41.2 ; 143.54,42.26 143.54,40.76 ; J1.2 23.53,67.83 23.54,67.82 J2.2 ; J20.2 190.63,65.41 190.63,65.12 191.5,64.26 215.65,64.26 215.99,64.6 215.99,65.41 217.14,65.41 ; J32.2 71.89,9.1 71.89,9.89 73.47,11.47 83.54,11.47 84.76,12.69 U14.1 ; R48.2 139.33,73.27 135.31,69.25 135.31,68.98 J13.2 134.16,67.83 134.17,67.82 J14.2 ; 92.75,42.26 U15.4 ; 41.95,42.36 32.16,42.36 30.86,43.66 30.86,43.89 R75.2 28.65,43.89 26.73,41.97 16.61,41.97 16.46,41.82 ; 41.95,42.36 U11.4 ; 16.46,41.82 U9.4 ; 16.46,41.82 16.31,41.97 6.97,41.97 5.45,43.5 5.45,43.73 4.34,43.73 ; VCC_PROTO1.2 VCC_PROTO1.1 ; VCC_PROTO1.4 VCC_PROTO1.3
  Bottom w0.2: RV2.1 35.72,101.85 36.17,101.85 37.34,100.68 37.34,95.42 34.6,92.69 34.6,86.54 36.54,84.6 ; 107.66,66.67 107.66,65.41 J11.2 106.51,64.26 105.94,63.69 R130.2 ; 107.66,66.67 114.43,66.67 115.73,67.96 ; 107.66,66.67 106.5,67.83 J10.2 ; J39.2 J41.2 ; 171.04,66.58 171.04,66.37 181.93,55.48 ; 171.04,66.58 R56.2 171.04,74.37 171.18,74.37 172.14,75.34 172.14,79.27 173.66,80.79 175.09,80.79 175.89,81.59 175.89,84.6 174.83,84.6 ; 171.04,66.58 162.98,66.58 ; VCC_PROTO1.4 184.47,54.91 183.56,54.91 183.08,54.43 ; 189.48,56.06 J20.2 189.48,66.56 190.11,67.19 ; 189.48,56.06 VCC_PROTO1.3 ; 189.48,56.06 VCC_PROTO1.2 ; J25.2 J27.2 ; 183.08,54.43 182.6,54.91 181.93,54.91 181.93,55.48 ; 183.08,54.43 183.08,45.92 182.16,44.99 R141.2 ; R152.2 156.75,59.18 161.82,64.26 J17.2 162.98,65.41 162.98,66.58 ; VCC_PROTO1.5 181.93,55.48 ; U5.4 117.58,84.6 ; 117.58,84.6 117.12,84.14 117.12,75.63 115.87,74.37 115.73,74.37 R40.2 115.73,67.96 ; 117.58,84.6 117.06,85.12 117.06,100.67 118.24,101.85 118.69,101.85 RV5.1 ; 193.24,45.56 202.03,45.56 203.19,44.41 203.19,28.92 U12.21 202.04,19.99 202.04,5.08 201.31,4.35 199.23,4.35 198.89,4.69 198.89,5.5 J51.2 J50.2 196.59,9.1 196.59,9.37 193.27,12.69 U20.1 ; 193.24,45.56 193.24,43.36 194.34,42.26 U21.4 ; 193.24,45.56 193.24,54.04 192.38,54.91 192.09,54.91 VCC_PROTO1.1 ; 4.34,43.73 4.34,61.52 8.23,65.4 ; RV3.1 63.37,101.85 63.82,101.85 64.58,101.1 64.58,96.72 62.26,94.4 62.26,85.67 63.33,84.6 ; 190.11,67.19 191.93,67.19 197.6,72.86 197.6,73.27 R64.2 198.7,74.37 198.93,74.37 200.14,75.58 200.14,82.16 202.58,84.6 202.69,84.6 ; 190.11,67.19 189.47,67.83 J19.2 ; R108.2 55.14,60.31 51.2,64.26 J5.2 51.2,66.56 51.83,67.19 ; RV7.1 174,101.85 174.45,101.85 175.62,100.68 175.62,96.59 172.89,93.86 172.89,86.54 174.83,84.6 ; R48.2 143.38,74.37 143.52,74.37 144.49,75.34 144.49,83.85 145.23,84.6 U6.4 ; U2.4 36.54,84.6 ; 36.54,84.6 37.61,84.6 37.61,81.56 36.84,80.79 35.38,80.79 34.17,79.58 34.17,75.56 32.99,74.37 32.76,74.37 32.76,73.82 ; J4.2 51.19,67.83 51.83,67.19 ; 131.35,64.25 R119.2 ; 131.35,64.25 132.65,64.25 133.02,64.62 133.02,65.41 J14.2 ; 131.35,64.25 119.44,64.25 115.73,67.96 ; 202.69,84.6 U8.4 ; 202.69,84.6 203.55,85.46 203.55,97.86 202.11,99.3 201.15,99.3 200.46,99.99 200.46,101.1 201.21,101.85 201.66,101.85 RV8.1 ; 80.56,43.89 80.56,44.99 79.43,46.12 79.43,65.41 79.14,65.41 ; 44.76,5.5 44.19,5.5 44.19,5.21 43.32,4.35 42.28,4.35 39.64,6.99 39.64,10.01 36.96,12.69 U10.1 ; 44.76,5.5 J30.2 ; 44.76,5.5 44.76,7.37 45.34,7.95 J29.2 ; 32.76,73.82 R16.2 ; 32.76,73.82 29.25,73.82 24.68,69.25 24.68,68.98 J1.2 22.38,68.98 22.38,69.77 22.02,70.13 20,70.13 15.27,65.4 8.23,65.4 ; J44.2 J43.2 145.79,9.1 145.79,9.37 142.47,12.69 U17.1 ; J16.2 161.81,67.83 162.98,66.67 162.98,66.58 ; 79.14,65.41 J8.2 ; 79.14,65.41 78.84,65.71 J7.2 80,68.98 80,69.27 84,73.27 R32.2 88.07,74.37 88.21,74.37 89.17,75.34 89.17,79.27 90.59,80.69 92.01,80.69 92.92,81.6 92.92,83.53 91.85,84.6 ; RV4.1 91.03,101.85 91.48,101.85 92.23,101.1 92.23,99.99 91.54,99.3 90.58,99.3 89.81,98.53 89.81,86.64 91.85,84.6 ; 8.23,65.4 5.1,68.53 R8.2 5.1,74.37 5.33,74.37 6.52,75.56 6.52,79.69 7.62,80.79 9.18,80.79 9.95,81.56 9.95,84.6 U1.4 6.95,84.6 6.95,93.26 9.27,95.59 9.27,101.09 8.51,101.85 8.06,101.85 RV1.1 ; J32.2 J34.2 ; 91.85,84.6 U4.4 ; J46.2 J48.2 ; 174.83,84.6 U7.4 ; 217.14,65.41 217.14,67.82 217.13,67.83 J22.2 ; 51.83,67.19 53.57,67.19 59.31,72.93 59.31,73.27 R24.2 60.41,74.37 60.64,74.37 61.83,75.56 61.83,79.69 62.93,80.79 64.5,80.79 65.27,81.56 65.27,82.66 63.33,84.6 ; 63.33,84.6 U3.4 ; J37.2 J36.2 94.99,9.1 94.99,9.37 91.67,12.69 U14.1
